# KiCad board Breakout_1999_Dodge_Dakota.kicad_pcb (continued)
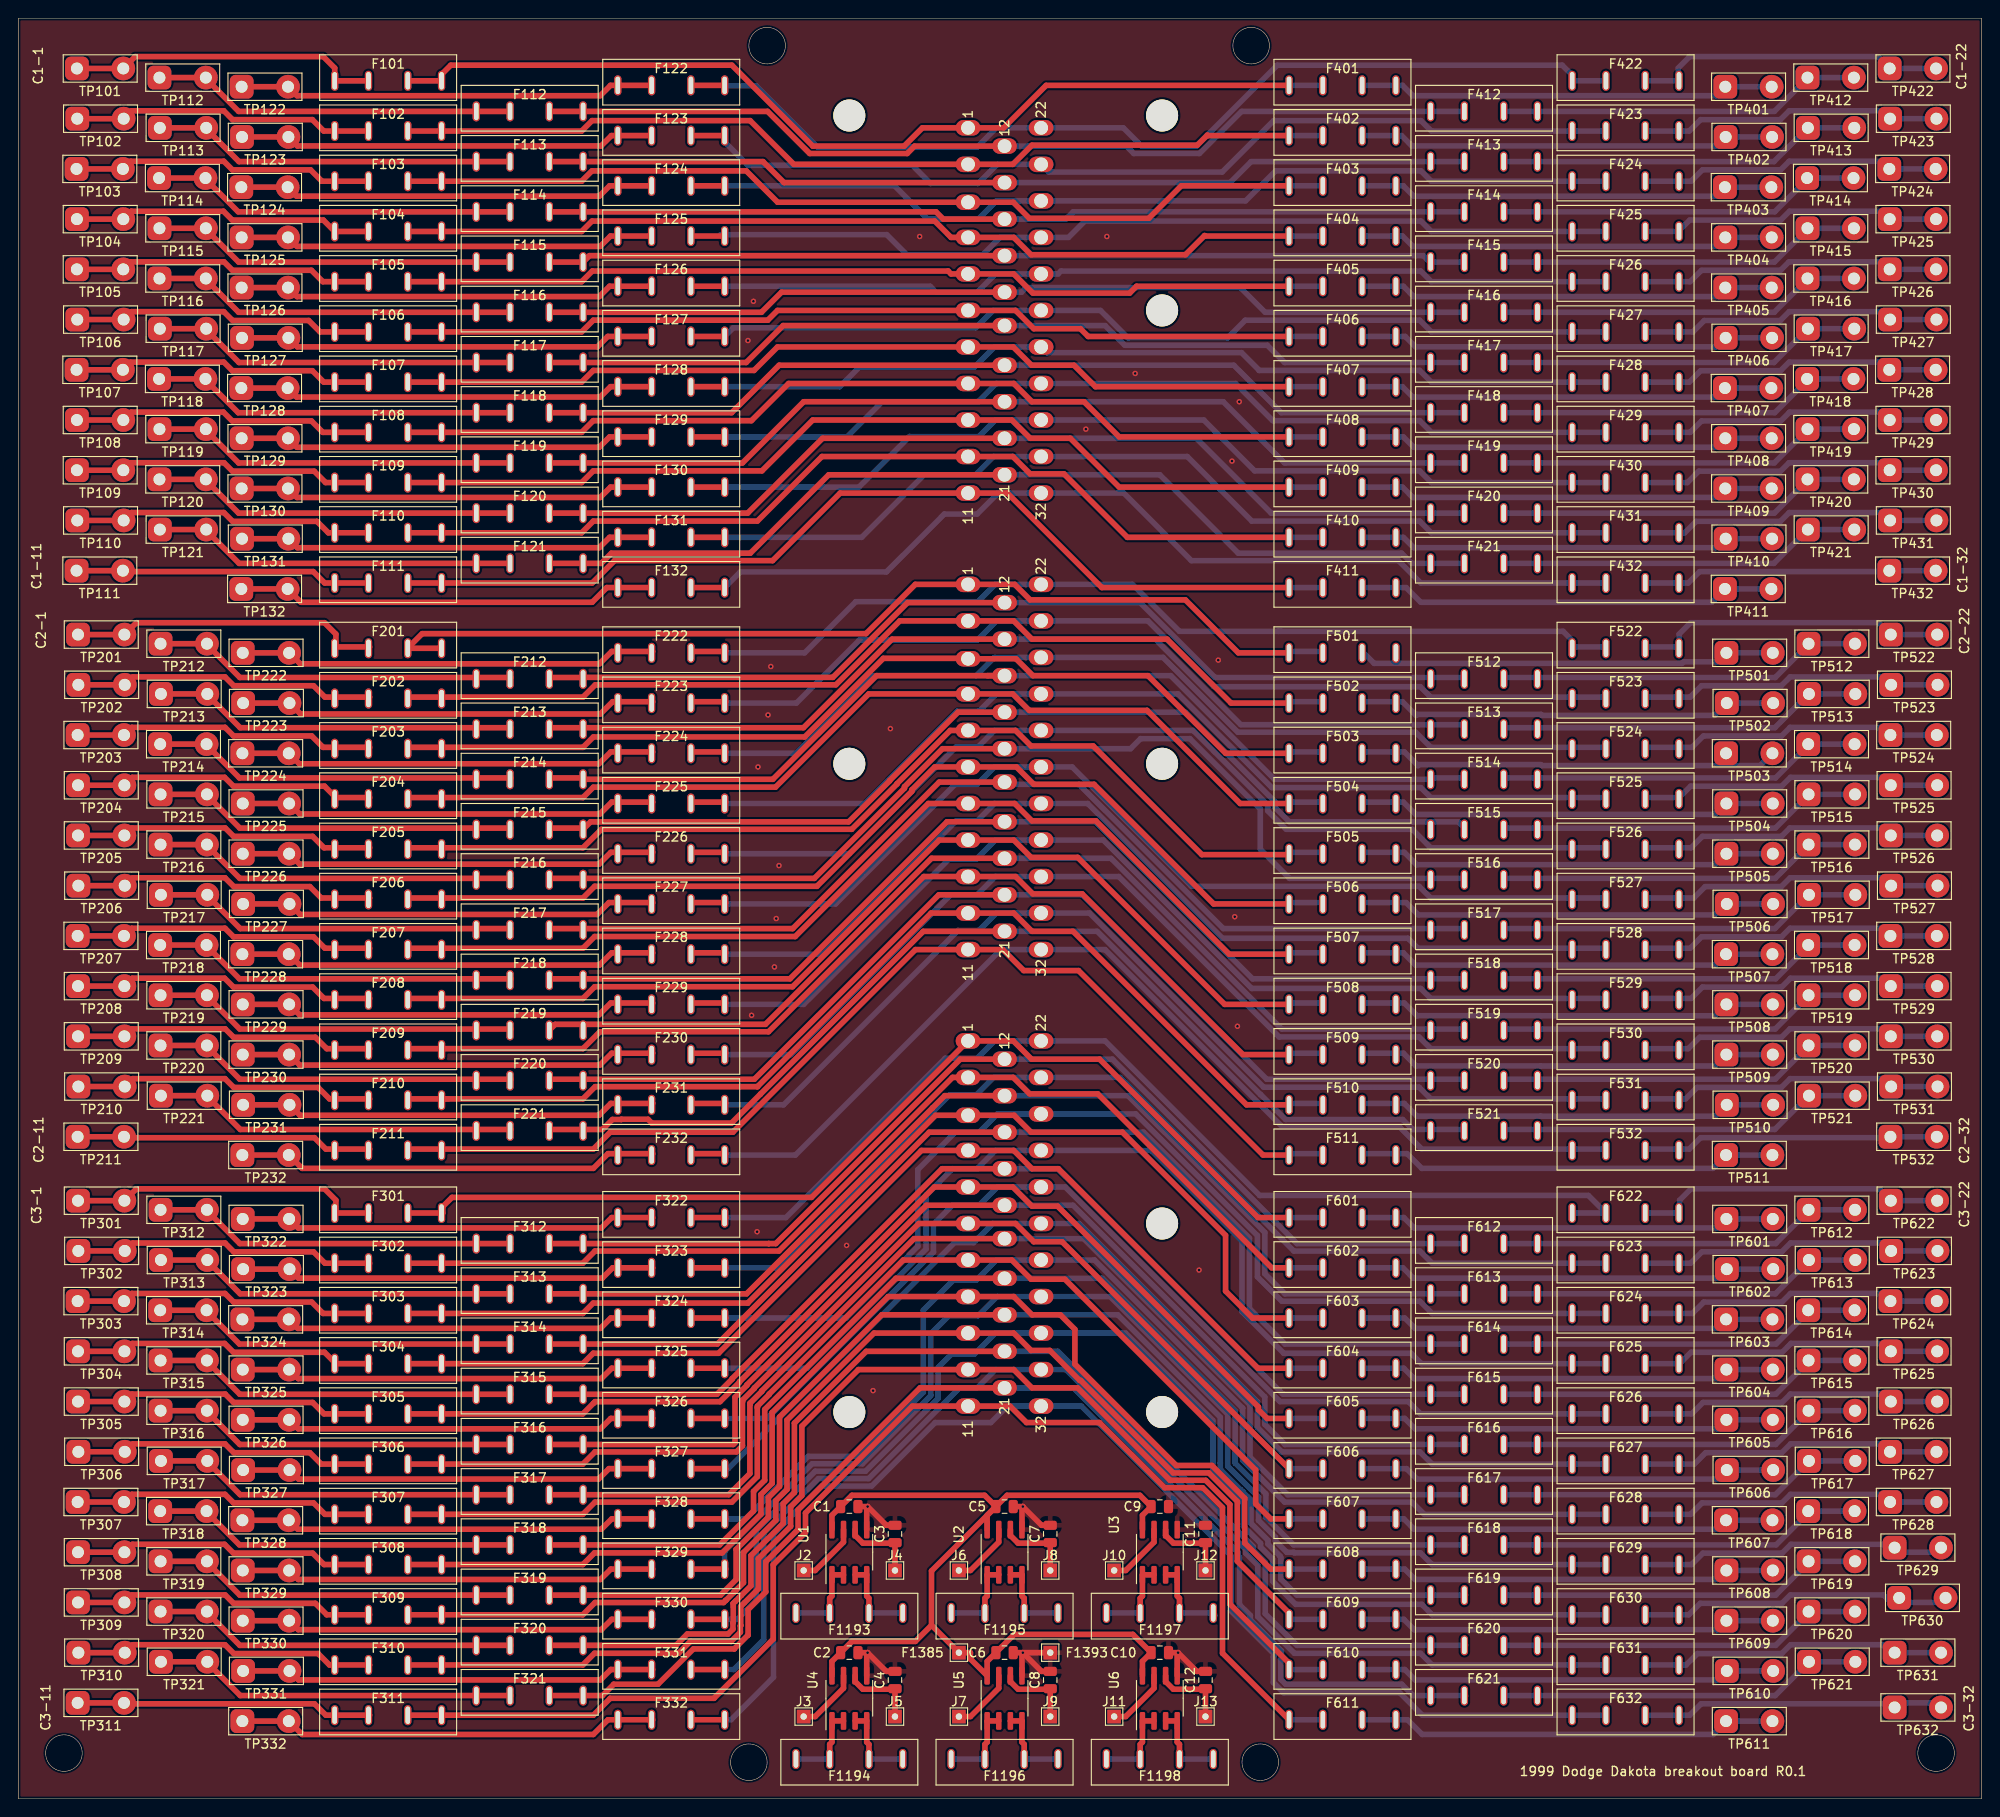
[diagram p0: board, top side]
## Routing (per net, layer and track width the routed paths; a pad name or vN(x,y) marks a point on that pad's centre or on a via; arc(x,y) is an arc through that point) (continued)
Net-(F108-Pad1): length 33.2
  Top w0.61: TP108.1 TP108.2 12.36,151.87 22.46,151.87 23.43,150.9 32.1,150.9 33.35,149.65 F108.1 F108.1
Net-(F108-Pad2): length 104.8
  Top w0.61: F108.2 F108.2 61.69,149.65 62.97,150.93 80.28,150.93 84.35,155 J1.c1-8 109,155 111,153 116.7,153 120.55,149.15 F408.1
  Bottom w0.61: 142.77,149.15 F408.1 139.07,149.15
Net-(F109-Pad1): length 33.2
  Top w0.61: F109.1 F109.1 33.65,144.15 32.4,145.4 23.45,145.4 22.53,146.32 12.32,146.32 TP109.2 TP109.1
Net-(F109-Pad2): length 106.1
  Top w0.61: F109.2 F109.2 61.69,144.15 62.97,145.43 81.43,145.43 87,151 J1.c1-9 108.8,151 110.8,149 115.2,149 120.55,143.65 F409.1
  Bottom w0.61: 142.77,143.65 F409.1 139.07,143.65
Net-(F110-Pad1): length 33.2
  Top w0.61: F110.1 F110.1 33.95,138.65 32.7,139.9 23.47,139.9 22.5,140.87 12.41,140.87 TP110.2 TP110.1
Net-(F110-Pad2): length 107.3
  Top w0.61: F410.1 121.45,138.15 114.5,145.1 110.8,145.1 108.9,147 J1.c1-10 88,147 80.93,139.93 62.97,139.93 61.69,138.65 F110.2 F110.2
  Bottom w0.61: 142.77,138.15 F410.1 139.07,138.15
Net-(F111-Pad1): length 32.5
  Top w0.61: F111.1 F111.1 33.55,133.15 32.3,134.4 11.56,134.4 TP111.2 TP111.1
Net-(F111-Pad2): length 108.6
  Top w0.61: F411.1 118.65,132.65 108.3,143 J1.c1-11 90,143 82.6,135.6 65.29,135.6 62.84,133.15 F111.2 F111.2
  Bottom w0.61: 139.07,132.65 F411.1 142.77,132.65
Net-(F112-Pad1): length 40
  Top w0.61: F112.1 F112.1 24.13,184.8 20.54,188.39 TP112.2 TP112.1
Net-(F112-Pad2): length 104.6
  Top w0.61: J1.c1-12 98.15,181 97.34,180.19 86.66,180.19 82.05,184.8 F112.2 F112.2
  Bottom w0.61: J1.c1-12 121.33,181 122.14,180.19 129.34,180.19 133.95,184.8 F412.1 158.27,184.8
Net-(F113-Pad1): length 39.9
  Top w0.61: TP113.1 TP113.2 20.58,182.89 24.17,179.3 F113.1 F113.1
Net-(F113-Pad2): length 102
  Top w0.61: J1.c1-13 83.85,177 81.55,179.3 F113.2 F113.2
  Bottom w0.61: 158.27,179.3 F413.1 134.99,179.3 132.69,177 J1.c1-13
Net-(F114-Pad1): length 40
  Top w0.61: TP114.1 TP114.2 20.5,177.39 24.09,173.8 F114.1 F114.1
Net-(F114-Pad2): length 100.8
  Top w0.61: J1.c1-14 101.29,173 100.49,173.8 F114.2 F114.2
  Bottom w0.61: 158.27,173.8 F414.1 115.51,173.8 114.71,173 J1.c1-14
Net-(F115-Pad1): length 40
  Top w0.61: F115.1 F115.1 24.13,168.3 20.54,171.89 TP115.2 TP115.1
Net-(F115-Pad2): length 100.7
  Top w0.61: F115.2 F115.2 62.55,169 J1.c1-15
  Bottom w0.61: 158.27,168.3 F415.1 154.57,168.3 153.87,169 J1.c1-15
Net-(F116-Pad1): length 40
  Top w0.61: TP116.1 TP116.2 20.54,166.39 24.13,162.8 F116.1 F116.1
Net-(F116-Pad2): length 102.4
  Top w0.61: J1.c1-16 83.58,165 81.38,162.8 F116.2 F116.2
  Bottom w0.61: J1.c1-16 109.86,165 110.36,165.5 133.83,165.5 136.53,162.8 F416.1 F416.1
Net-(F117-Pad1): length 39.9
  Top w0.61: TP117.1 TP117.2 20.58,160.89 24.17,157.3 F117.1 F117.1
Net-(F117-Pad2): length 103.5
  Top w0.61: J1.c1-17 83.75,161.34 79.71,157.3 F117.2 F117.2
  Bottom w0.61: F417.1 F417.1 138.65,157.3 136.76,159.19 121.16,159.19 119.01,161.34 J1.c1-17
Net-(F118-Pad1): length 40
  Top w0.61: TP118.1 TP118.2 20.5,155.39 24.09,151.8 F118.1 F118.1
Net-(F118-Pad2): length 104.5
  Top w0.61: J1.c1-18 83.31,157 78.12,151.8 F118.2 F118.2
  Bottom w0.61: J1.c1-18 133.1,157 138.31,151.8 F418.1 F418.1
Net-(F119-Pad1): length 40
  Top w0.61: TP119.1 TP119.2 20.54,149.89 24.13,146.3 F119.1 F119.1
Net-(F119-Pad2): length 105.8
  Top w0.61: J1.c1-19 86,153 79.3,146.3 F119.2 F119.2
  Bottom w0.61: J1.c1-19 131.96,153 138.66,146.3 F419.1 F419.1
Net-(F120-Pad1): length 40
  Top w0.61: F120.1 F120.1 24.13,140.8 20.54,144.39 TP120.2 TP120.1
Net-(F120-Pad2): length 107
  Top w0.61: F120.2 F120.2 79.87,140.8 88.07,149 J1.c1-20
  Bottom w0.61: F420.1 F420.1 137.2,140.8 129,149 J1.c1-20
Net-(F121-Pad1): length 39.9
  Top w0.61: F121.1 F121.1 24.18,135.3 20.58,138.9 TP121.2 TP121.1
Net-(F121-Pad2): length 108.2
  Top w0.61: F121.2 F121.2 63.84,135.3 64.95,136.41 80.16,136.41 88.74,145 J1.c1-21
  Bottom w0.61: F421.1 F421.1 152.58,135.3 151.47,136.41 133.59,136.41 125,145 J1.c1-21
Net-(F122-Pad1): length 45.8
  Top w0.61: F122.1 F122.1 64.85,187.65 63.72,186.52 30.52,186.52 TP122.2 TP122.1
Net-(F122-Pad2): length 109.4
  Top w0.61: F122.2 F122.2
  Bottom w0.61: F122.2 77.4,187.6 80.8,187.6 87.5,180.9 105,180.9 107.1,183 J1.c1-22 121,183 123,181 129,181 137.86,189.86 169.06,189.86 170.07,188.85 170.07,188.15 F422.1 173.77,188.15
Net-(F123-Pad1): length 45.7
  Top w0.61: F123.1 F123.1 64.95,182.15 63.82,181.02 30.56,181.02 TP123.2 TP123.1
Net-(F123-Pad2): length 106.7
  Top w0.61: F123.2 F123.2
  Bottom w0.61: F123.2 77.35,181.45 79.9,178.9 97.9,178.9 99.9,176.9 105.1,176.9 107.2,179 J1.c1-23 112.84,178.16 131.84,178.16 137.47,183.79 153.59,183.79 154.73,182.65 F423.1 173.77,182.65
Net-(F124-Pad1): length 45.8
  Top w0.61: F124.1 F124.1 64.75,176.65 63.62,175.52 30.48,175.52 TP124.2 TP124.1
Net-(F124-Pad2): length 104.3
  Top w0.61: F124.2 F124.2
  Bottom w0.61: F124.2 95.95,176.65 99.6,173 105.1,173 107.1,175 J1.c1-24 134.39,175 137.68,178.29 153.6,178.29 154.73,177.15 F424.1 173.77,177.15
Net-(F125-Pad1): length 45.8
  Top w0.61: TP125.1 TP125.2 30.52,170.02 63.72,170.02 64.85,171.15 F125.1 F125.1
Net-(F125-Pad2): length 104.1
  Top w0.61: F125.2 F125.2
  Bottom w0.61: F125.2 77.05,171.15 76.9,171.3 95.1,171.3 97.3,169.1 105.6,169.1 107.5,171 J1.c1-25 115,171 116.79,172.79 153.59,172.79 154.73,171.65 F425.1 F425.1
Net-(F126-Pad1): length 45.8
  Top w0.61: F126.1 F126.1 64.75,165.65 63.62,164.52 30.52,164.52 TP126.2 TP126.1
Net-(F126-Pad2): length 101.9
  Top w0.61: F126.2 F126.2
  Bottom w0.61: F426.1 F426.1 154.73,166.15 153.57,167.32 114.18,167.32 113.86,167 J1.c1-26 107,167 105,165 100.5,165 99.85,165.65 F126.2
Net-(F127-Pad1): length 45.7
  Top w0.61: TP127.1 TP127.2 30.56,159.02 63.42,159.02 64.55,160.15 F127.1 F127.1
Net-(F127-Pad2): length 103.9
  Top w0.61: F127.2 F127.2
  Bottom w0.61: F127.2 78.3,161.1 104.85,161.1 106.75,163 J1.c1-27 118.5,163 121.5,160 132.42,160 134.35,161.93 153.45,161.93 154.73,160.65 F427.1 173.77,160.65
Net-(F128-Pad1): length 45.8
  Top w0.61: F128.1 F128.1 64.85,154.65 63.72,153.52 30.48,153.52 TP128.2 TP128.1
Net-(F128-Pad2): length 103.6
  Top w0.61: F128.2 F128.2
  Bottom w0.61: 135.86,156.43 135.9,156.43 ; 135.9,156.43 133.95,158.37 112.62,158.37 J1.c1-28 106.9,159 104.7,156.8 92.1,156.8 89.95,154.65 F128.2 ; 135.9,156.43 153.45,156.43 154.73,155.15 F428.1 173.77,155.15
Net-(F129-Pad1): length 45.8
  Top w0.61: F129.1 F129.1 64.75,149.15 63.62,148.02 30.52,148.02 TP129.2 TP129.1
Net-(F129-Pad2): length 104.8
  Top w0.61: F129.2 F129.2
  Bottom w0.61: 173.77,149.65 F429.1 154.73,149.65 153.45,150.93 137.37,150.93 133.3,155 J1.c1-29 107.1,155 105.1,153 94.6,153 90.75,149.15 F129.2
Net-(F130-Pad1): length 45.8
  Top w0.61: TP130.1 TP130.2 30.52,142.52 63.72,142.52 64.85,143.65 F130.1 F130.1
Net-(F130-Pad2): length 106
  Top w0.61: F130.2 F130.2
  Bottom w0.61: 173.77,144.15 F430.1 154.73,144.15 153.45,145.43 135.39,145.43 129.81,151 J1.c1-30 107,151 105.2,149.2 97.6,149.2 92.05,143.65 F130.2
Net-(F131-Pad1): length 45.7
  Top w0.61: F131.1 F131.1 64.75,138.15 63.62,137.02 30.56,137.02 TP131.2 TP131.1
Net-(F131-Pad2): length 107.2
  Top w0.61: F131.2 F131.2
  Bottom w0.61: 173.77,138.65 F431.1 154.73,138.65 153.45,139.93 135.07,139.93 128,147 J1.c1-31 106.8,147 104.8,145 99.2,145 92.35,138.15 F131.2
Net-(F132-Pad1): length 46.2
  Top w0.61: TP132.1 TP132.2 30.96,131.04 62.84,131.04 64.45,132.65 F132.1 F132.1
Net-(F132-Pad2): length 108.5
  Top w0.61: F132.2 F132.2
  Bottom w0.61: F132.2 79.06,134.36 95.06,134.36 101.4,140.7 105,140.7 107.3,143 J1.c1-32 121.05,143 128.45,135.6 151.13,135.6 153.58,133.15 F432.1 173.77,133.15
Net-(F201-Pad1): length 34.4
  Top w0.61: 38.48,126.15 34.78,126.15 34.78,127.55 33.53,128.8 12.93,128.8 11.63,127.5 TP201.2 6.55,127.5
Net-(F201-Pad2): length 109.7
  Top w0.61: 42.78,126.15 44.23,127.6 92.83,127.6 98.23,133 J1.c2-1 109.1,133 110.8,131.3 127.8,131.3 133.6,125.5 F501.1 ; F201.2 F201.2
  Bottom w0.61: 142.87,125.65 139.17,125.65
Net-(F202-Pad1): length 33.2
  Top w0.61: 38.48,120.65 33.58,120.65 32.33,121.9 23.6,121.9 22.63,122.86 12.53,122.86 11.67,122 TP202.2 6.59,122
Net-(F202-Pad2): length 107.3
  Top w0.61: 42.78,120.65 61.83,120.65 63.18,122 89.53,122 96.53,129 J1.c2-2 109,129 111,127 125.8,127 132.8,120 F502.1
  Bottom w0.61: 142.87,120.15 139.17,120.15
Net-(F203-Pad1): length 33.2
  Top w0.61: 6.51,116.5 TP203.2 11.59,116.5 12.43,117.34 22.64,117.34 23.58,116.4 32.13,116.4 33.38,115.15 38.48,115.15
Net-(F203-Pad2): length 108.4
  Top w0.61: 103.95,124.9 94.72,124.9 86.11,116.29 62.97,116.29 61.83,115.15 42.78,115.15 ; J1.c2-3 109.25,124.85 111.1,123 123.7,123 132.2,114.5 F503.1
  Bottom w0.61: J1.c2-3 103.95,124.9 ; 142.87,114.65 139.17,114.65
Net-(F204-Pad1): length 33.2
  Top w0.61: 38.48,109.65 34.78,109.65 33.53,110.9 23.56,110.9 22.59,111.86 12.5,111.86 11.63,111 TP204.2 6.55,111
Net-(F204-Pad2): length 110.1
  Top w0.61: 46.35,109.65 42.78,109.65 42.78,109.63 F204.2 ; 46.35,109.65 61.83,109.65 62.97,110.79 82.91,110.79 93.12,121 J1.c2-4 108.9,121 110.7,119.2 123.6,119.2 133.8,109 F504.1 ; 46.35,109.65 F204.2
  Bottom w0.61: 142.87,109.15 139.17,109.15
Net-(F205-Pad1): length 33.2
  Top w0.61: 6.55,105.5 TP205.2 11.63,105.5 12.45,106.32 22.66,106.32 23.58,105.4 32.23,105.4 33.48,104.15 38.48,104.15
Net-(F205-Pad2): length 111.2
  Top w0.61: 42.78,104.15 61.83,104.15 63.86,106.18 91.26,106.18 96.22,111.14 96.22,111.17 102.05,117 J1.c2-5 109.2,117 110.9,115.3 117.7,115.3 129.6,103.4 139.05,103.4 F505.1
  Bottom w0.61: 142.95,103.65 139.17,103.65
Net-(F206-Pad1): length 33.2
  Top w0.61: 38.48,98.65 33.18,98.65 31.93,99.9 23.6,99.9 22.63,100.87 12.53,100.87 11.67,100 TP206.2 6.59,100
Net-(F206-Pad2): length 112.3
  Top w0.61: F506.1 130.9,98 117.8,111.1 111.2,111.1 109.3,113 J1.c2-6 100.35,113 97.85,110.5 97.85,110.33 87.45,99.93 63.11,99.93 61.83,98.65 42.78,98.65
  Bottom w0.61: 142.87,98.15 139.17,98.15
Net-(F207-Pad1): length 33.2
  Top w0.61: 6.51,94.5 TP207.2 11.59,94.5 12.43,95.34 22.64,95.34 23.58,94.4 32.33,94.4 33.58,93.15 38.48,93.15
Net-(F207-Pad2): length 113.5
  Top w0.61: 42.78,93.15 61.83,93.15 63.11,94.43 85.08,94.43 99.65,109 J1.c2-7 109.1,109 111,107.1 118,107.1 132.6,92.5 F507.1
  Bottom w0.61: 142.87,92.65 139.17,92.65
Net-(F208-Pad1): length 33.2
  Top w0.61: 38.48,87.65 33.48,87.65 32.23,88.9 23.56,88.9 22.59,89.87 12.5,89.87 11.63,89 TP208.2 6.55,89
Net-(F208-Pad2): length 114.7
  Top w0.61: 42.78,87.65 61.83,87.65 63.11,88.93 84.78,88.93 100.85,105 J1.c2-8 109,105 110.9,103.1 116,103.1 132.1,87 F508.1
  Bottom w0.61: 142.87,87.15 139.17,87.15
Net-(F209-Pad1): length 33.2
  Top w0.61: 38.48,82.15 33.78,82.15 32.53,83.4 23.58,83.4 22.66,84.32 12.45,84.32 11.63,83.5 TP209.2 6.55,83.5
Net-(F209-Pad2): length 116
  Top w0.61: F509.1 134.1,81.5 116.5,99.1 111.1,99.1 109.2,101 J1.c2-9 99.15,101 82.15,84 63.68,84 61.83,82.15 42.78,82.15
  Bottom w0.61: 142.87,81.65 139.17,81.65
Net-(F210-Pad1): length 33.2
  Top w0.61: 6.59,78 TP210.2 11.67,78 12.53,78.87 22.63,78.87 23.6,77.9 32.83,77.9 34.08,76.65 38.48,76.65
Net-(F210-Pad2): length 118
  Top w0.61: 46.5,76.65 F210.2 ; 46.5,76.65 47.1,76.65 ; 46.5,76.65 42.78,76.65 ; 46.5,76.65 61.83,76.65 63.17,77.99 80.91,77.99 80.94,77.99 99.95,97 J1.c2-10 109,97 111,95 115.5,95 134.5,76 F510.1
  Bottom w0.61: 142.87,76.15 139.17,76.15
Net-(F211-Pad1): length 32.5
  Top w0.61: 38.48,71.15 33.68,71.15 32.43,72.4 11.69,72.4 11.59,72.5 TP211.2 6.51,72.5
Net-(F211-Pad2): length 118.4
  Top w0.61: 42.78,71.15 62.97,71.15 64.82,73 78.25,73 98.25,93 J1.c2-11 107.8,93 110.1,90.7 116.1,90.7 136.3,70.5 F511.1
  Bottom w0.61: 142.87,70.65 139.17,70.65
Net-(F212-Pad1): length 40
  Top w0.61: 15.59,126.5 TP212.2 20.67,126.5 20.67,126.39 24.26,122.8 53.98,122.8
Net-(F212-Pad2): length 107.2
  Top w0.61: 58.3,122.8 61.85,122.8 ; 58.3,122.8 F212.2 ; 58.3,122.8 58.28,122.8 ; 61.85,122.8 F212.2 ; 61.85,122.8 61.86,122.81 89.19,122.81 97.38,131 J1.c2-12
  Bottom w0.61: J1.c2-12 122.85,131 131.05,122.8 158.37,122.8
Net-(F213-Pad1): length 39.9
  Top w0.61: 53.98,117.3 24.3,117.3 20.71,120.89 20.71,121 TP213.2 15.63,121
Net-(F213-Pad2): length 108.5
  Top w0.61: 58.28,117.3 58.3,117.3 ; 58.3,117.3 F213.2 ; 58.3,117.3 61.85,117.3 ; 61.85,117.3 F213.2 ; 61.85,117.3 85.97,117.3 95.68,127 J1.c2-13
  Bottom w0.61: 158.37,117.3 158.04,117.62 153.34,117.62 153.34,117.63 133.87,117.63 124.5,127 J1.c2-13
Net-(F214-Pad1): length 40
  Top w0.61: 15.55,115.5 TP214.2 20.63,115.5 20.63,115.39 24.22,111.8 53.98,111.8
Net-(F214-Pad2): length 111.8
  Top w0.61: 61.7,111.8 61.98,111.8 ; 61.7,111.8 F214.2 82.62,111.65 93.97,123 106.14,123 ; 61.7,111.8 58.3,111.8 ; 106.14,123 107.94,123 106.14,123 ; 58.3,111.8 F214.2 ; 58.3,111.8 58.28,111.8
  Bottom w0.61: F514.1 137.55,111.65 126.2,123 J1.c2-14 107.94,123 107.94,123 ; 158.37,111.8 154.67,111.8
Net-(F215-Pad1): length 40
  Top w0.61: 53.98,106.3 24.26,106.3 20.67,109.89 20.67,110 TP215.2 15.59,110
Net-(F215-Pad2): length 111
  Top w0.61: 58.28,106.3 61.98,106.3 62.67,106.99 ; 62.68,107 62.67,106.99 ; 62.67,106.99 90.93,106.99 95.41,111.47 95.41,111.51 102.9,119 J1.c2-15
  Bottom w0.61: 158.37,106.3 157.68,106.99 152.68,106.99 152.67,107 139.17,107 137.62,108.54 137.62,109.17 127.8,119 J1.c2-15
Net-(F216-Pad1): length 40
  Top w0.61: 15.59,104.5 TP216.2 20.67,104.5 20.67,104.39 24.26,100.8 53.98,100.8
Net-(F216-Pad2): length 115.5
  Top w0.61: J1.c2-16 101.2,115 97.04,110.84 97.04,110.67 87.17,100.8 58.28,100.8
  Bottom w0.61: J1.c2-16 121.8,115 122.9,116.1 128.3,116.1 136,108.4 136,104 139.2,100.8 158.45,100.8
Net-(F217-Pad1): length 39.9
  Top w0.61: 53.98,95.3 24.3,95.3 20.71,98.89 20.71,99 TP217.2 15.63,99
Net-(F217-Pad2): length 113.5
  Top w0.61: 58.28,95.3 84.8,95.3 100.84,111.34 J1.c2-17
  Bottom w0.61: J1.c2-17 108.24,111.1 116.15,111.1 131.95,95.3 158.45,95.3
Net-(F218-Pad1): length 40
  Top w0.61: 53.98,89.8 24.22,89.8 20.63,93.39 20.63,93.5 TP218.2 15.55,93.5
Net-(F218-Pad2): length 114.4
  Top w0.61: J1.c2-18 101.7,107 84.5,89.8 58.28,89.8
  Bottom w0.61: J1.c2-18 117.95,107 135.15,89.8 158.45,89.8
Net-(F219-Pad1): length 40
  Top w0.61: 15.59,88 TP219.2 20.67,88 20.67,87.89 24.26,84.3 53.98,84.3
Net-(F219-Pad2): length 115.7
  Top w0.61: J1.c2-19 100,103 81.81,84.81 58.79,84.81 58.28,84.3
  Bottom w0.61: 158.45,84.3 138.35,84.3 119.65,103 J1.c2-19
Net-(F220-Pad1): length 40
  Top w0.61: 15.59,82.5 TP220.2 20.67,82.5 20.67,82.39 24.26,78.8 53.98,78.8
Net-(F220-Pad2): length 117.3
  Top w0.61: F220.2 58.28,78.78 58.28,78.8 61.85,78.8 ; 61.85,78.8 80.6,78.8 100.8,99 J1.c2-20 ; 61.85,78.8 F220.2
  Bottom w0.61: 158.45,78.8 136.7,78.8 116.5,99 J1.c2-20
Net-(F221-Pad1): length 39.9
  Top w0.61: 15.63,77 TP221.2 20.71,77 20.71,76.9 24.31,73.3 53.98,73.3
Net-(F221-Pad2): length 118.7
  Top w0.61: 61.7,73.3 63.97,73.3 65.06,74.39 66.03,74.39 66.05,74.41 68.95,74.41 69.37,74 78.1,74 81.27,77.17 81.28,77.17 99.1,95 J1.c2-21 ; 61.7,73.3 F221.2 ; 61.7,73.3 58.28,73.3
  Bottom w0.61: J1.c2-21 118.15,95 136.03,77.12 136.05,77.12 138.77,74.39 151.59,74.39 152.68,73.3 158.45,73.3
Net-(F222-Pad1): length 45.9
  Top w0.61: 69.48,125.65 64.98,125.65 63.63,124.3 30.87,124.3 29.67,125.5 TP222.2 24.59,125.5
Net-(F222-Pad2): length 107.1
  Top w0.61: 73.78,125.65 77.2,125.65 ; 77.2,125.65 77.48,125.65 ; 77.2,125.65 F222.2
  Bottom w0.61: 138.02,127.86 138.26,127.86 ; 138.02,127.86 137.96,127.86 ; 138.02,127.86 138.26,127.86 ; 138.02,127.86 137.96,127.86 ; 138.26,127.86 169.16,127.86 170.17,126.85 170.17,126.15 173.87,126.15 ; 137.96,127.86 127.14,127.86 122,133 J1.c2-22 107,133 105.1,131.1 91.7,131.1 86.1,125.5 F222.2
Net-(F223-Pad1): length 45.9
  Top w0.61: 69.48,120.15 65.08,120.15 63.73,118.8 30.91,118.8 29.71,120 TP223.2 24.63,120
Net-(F223-Pad2): length 107.4
  Top w0.61: 73.78,120.15 77.48,120.15
  Bottom w0.61: F223.2 85.2,120 92.1,126.9 105,126.9 107.1,129 J1.c2-23 123.7,129 130.91,121.79 153.53,121.79 154.67,120.65 173.87,120.65
Net-(F224-Pad1): length 45.9
  Top w0.61: 69.48,114.65 64.88,114.65 63.58,113.35 30.78,113.35 29.63,114.5 TP224.2 24.55,114.5
Net-(F224-Pad2): length 108.6
  Top w0.61: 73.78,114.65 77.48,114.65
  Bottom w0.61: F224.2 85.2,114.5 93.7,123 104.9,123 106.9,125 J1.c2-24 125.35,125 133.54,116.81 153,116.81 154.67,115.15 173.87,115.15
Net-(F225-Pad1): length 45.9
  Top w0.61: 24.59,109 TP225.2 29.67,109 30.82,107.85 63.68,107.85 64.98,109.15 69.48,109.15
Net-(F225-Pad2): length 110
  Top w0.61: 73.78,109.15 77.48,109.15
  Bottom w0.61: 173.95,109.65 154.67,109.65 153.57,110.74 137.26,110.74 127,121 J1.c2-25 107.1,121 105.2,119.1 102.8,119.1 92.7,109 F225.2
Net-(F226-Pad1): length 45.9
  Top w0.61: 24.59,103.5 TP226.2 29.67,103.5 30.82,102.35 63.58,102.35 64.88,103.65 69.48,103.65
Net-(F226-Pad2): length 111.6
  Top w0.61: 73.78,103.65 77.48,103.65
  Bottom w0.61: 173.95,104.15 154.67,104.15 152.64,106.17 138.84,106.17 136.81,108.2 136.81,108.54 136.81,108.84 130.98,114.67 128.65,117 J1.c2-26 106.9,117 105.1,115.2 102.7,115.2 91,103.5 F226.2
Net-(F227-Pad1): length 45.9
  Top w0.61: 69.48,98.15 64.68,98.15 63.38,96.85 30.86,96.85 29.71,98 TP227.2 24.63,98
Net-(F227-Pad2): length 112.4
  Top w0.61: 73.78,98.15 77.48,98.15
  Bottom w0.61: 173.87,98.65 154.67,98.65 153.39,99.93 128.47,99.93 115.4,113 J1.c2-27 106.9,113 105,111.1 102.6,111.1 89.5,98 F227.2
Net-(F228-Pad1): length 46
  Top w0.61: 24.55,92.5 TP228.2 29.63,92.5 30.83,91.3 63.63,91.3 64.98,92.65 69.48,92.65
Net-(F228-Pad2): length 113.6
  Top w0.61: 73.78,92.65 77.48,92.65
  Bottom w0.61: F228.2 88.1,92.5 102.7,107.1 105,107.1 106.9,109 J1.c2-28 117.1,109 131.86,94.24 152.17,94.24 153.26,93.15 173.87,93.15
Net-(F229-Pad1): length 45.9
  Top w0.61: 24.59,87 TP229.2 29.67,87 30.82,85.85 63.58,85.85 64.88,87.15 69.48,87.15
Net-(F229-Pad2): length 114.9
  Top w0.61: 73.78,87.15 77.48,87.15
  Bottom w0.61: F229.2 86,87 101.9,102.9 104.9,102.9 107,105 J1.c2-29 118.8,105 135.06,88.74 153.57,88.74 154.67,87.65 173.87,87.65
Net-(F230-Pad1): length 45.9
  Top w0.61: 69.48,81.65 64.98,81.65 63.68,80.35 30.82,80.35 29.67,81.5 TP230.2 24.59,81.5
Net-(F230-Pad2): length 116.1
  Top w0.61: 73.78,81.65 77.48,81.65
  Bottom w0.61: F230.2 84.6,81.5 102.1,99 105,99 107,101 J1.c2-30 120.5,101 138.07,83.43 153.39,83.43 154.67,82.15 173.87,82.15
Net-(F231-Pad1): length 45.9
  Top w0.61: 24.63,76 TP231.2 29.71,76 30.86,74.85 63.58,74.85 64.88,76.15 69.48,76.15
Net-(F231-Pad2): length 117.3
  Top w0.61: 73.78,76.15 77.48,76.15
  Bottom w0.61: 173.87,76.65 154.67,76.65 153.39,77.93 136.37,77.93 117.3,97 J1.c2-31 107.1,97 105.2,95.1 102.9,95.1 83.8,76 F231.2
Net-(F232-Pad1): length 46.2
  Top w0.61: 24.55,70.5 TP232.2 29.63,70.5 31.09,69.04 62.97,69.04 64.58,70.65 69.48,70.65
Net-(F232-Pad2): length 118.6
  Top w0.61: 73.78,70.65 77.48,70.65
  Bottom w0.61: F232.2 85.1,70.5 107.6,93 J1.c2-32 119,93 138.42,73.58 151.25,73.58 153.68,71.15 173.87,71.15
Net-(F301-Pad1): length 34.4
  Top w0.61: 38.48,64.15 F301.1 34.78,64.15 34.78,65.55 33.53,66.8 12.93,66.8 11.63,65.5 TP301.2 6.55,65.5
Net-(F301-Pad2): length 116.3
  Top w0.61: F601.1 135.75,63.65 118.4,81 110.95,81 108.95,83 J1.c3-1 86.86,65.86 47.49,65.86 46.48,64.85 46.48,64.15 F301.2 42.78,64.15
  Bottom w0.61: 142.92,63.65 F601.1 139.22,63.65
Net-(F302-Pad1): length 33.2
  Top w0.61: 6.59,60 TP302.2 11.67,60 12.53,60.87 22.63,60.87 23.6,59.9 32.33,59.9 33.58,58.65 F302.1 F302.1 38.48,58.65
Net-(F302-Pad2): length 117.1
  Top w0.61: F602.1 137.25,58.15 118.2,77.2 110.75,77.2 108.95,79 J1.c3-2 102.3,79 83.29,59.99 63.15,59.99 61.82,58.65 F302.2 42.78,58.65
  Bottom w0.61: 139.22,58.15 F602.1 142.92,58.15
Net-(F303-Pad1): length 33.2
  Top w0.61: 6.51,54.5 TP303.2 11.59,54.5 12.43,55.34 22.64,55.34 23.58,54.4 32.13,54.4 33.38,53.15 F303.1 F303.1 38.48,53.15
Net-(F303-Pad2): length 121.8
  Top w0.61: 42.78,53.15 F303.2 61.82,53.15 62.95,54.29 79.89,54.29 100.45,74.85 J1.c3-3 109.05,74.85 110.9,73 120.9,73 132.2,61.7 132.2,55.6 135.15,52.65 F603.1
  Bottom w0.61: 139.22,52.65 F603.1 142.92,52.65
Net-(F304-Pad1): length 33.2
  Top w0.61: 6.55,49 TP304.2 11.63,49 12.5,49.87 22.59,49.87 23.56,48.9 33.53,48.9 34.78,47.65 F304.1 38.48,47.65
Net-(F304-Pad2): length 119.6
  Top w0.61: 42.78,47.65 F304.2 61.82,47.65 62.96,48.79 76.69,48.79 98.9,71 J1.c3-4 109,71 111,69 113.9,69 135.75,47.15 F604.1
  Bottom w0.61: 142.92,47.15 F604.1 139.22,47.15
Net-(F305-Pad1): length 33.2
  Top w0.61: 6.55,43.5 TP305.2 11.63,43.5 12.45,44.32 22.66,44.32 23.58,43.4 32.23,43.4 33.48,42.15 F305.1 F305.1 38.48,42.15
Net-(F305-Pad2): length 121.2
  Top w0.61: 42.78,42.15 F305.2 61.82,42.15 63.15,43.49 76.84,43.49 78.97,45.62 78.97,45.67 100.31,67 J1.c3-5 108.9,67 111,64.9 113.8,64.9 135.8,42.9 135.8,42.6 136.75,41.65 F605.1 ; 62.98,43.32 62.97,43.31
  Bottom w0.61: 143,41.65 F605.1 139.22,41.65
Net-(F306-Pad1): length 33.2
  Top w0.61: 6.59,38 TP306.2 11.67,38 12.53,38.87 22.63,38.87 23.6,37.9 31.93,37.9 33.18,36.65 F306.1 F306.1 38.48,36.65
Net-(F306-Pad2): length 125.1
  Top w0.61: F606.1 114.3,61 111.2,61 109.2,63 J1.c3-6 98.61,63 80.6,44.99 80.6,44.94 79.31,43.66 79.31,43.51 79.3,43.49 79.3,38.65 78.64,37.99 63.15,37.99 61.82,36.65 F306.2 42.78,36.65
  Bottom w0.61: 139.22,36.15 F606.1 142.92,36.15
Net-(F307-Pad1): length 33.2
  Top w0.61: 38.48,31.15 F307.1 F307.1 33.58,31.15 32.33,32.4 23.58,32.4 22.64,33.34 12.43,33.34 11.59,32.5 TP307.2 6.51,32.5
Net-(F307-Pad2): length 130.1
  Top w0.61: 42.78,31.15 F307.2 61.82,31.15 63.15,32.49 78.14,32.49 80.92,35.27 80.92,42.82 80.94,42.83 80.94,42.98 82.22,44.27 82.22,44.32 96.9,59 J1.c3-7 108.8,59 110.9,56.9 114.6,56.9 135.5,36 135.5,32.3 137.15,30.65 F607.1
  Bottom w0.61: 139.22,30.65 F607.1 142.92,30.65
Net-(F308-Pad1): length 33.2
  Top w0.61: 38.48,25.65 F308.1 F308.1 33.48,25.65 32.23,26.9 23.56,26.9 22.59,27.87 12.5,27.87 11.63,27 TP308.2 6.55,27
Net-(F308-Pad2): length 135.5
  Top w0.61: 42.78,25.65 F308.2 61.82,25.65 63.1,26.93 77.08,26.93 81.32,31.18 81.32,33.32 82.55,34.55 82.55,42.3 95.25,55 J1.c3-8 109,55 111,53 114.1,53 115.7,51.4 115.7,47.6 126.8,36.5 130.7,36.5 134.3,32.9 134.3,28 137.15,25.15 F608.1
  Bottom w0.61: 139.22,25.15 F608.1 142.92,25.15
Net-(F309-Pad1): length 33.2
  Top w0.61: 38.48,20.15 F309.1 F309.1 33.78,20.15 32.53,21.4 23.58,21.4 22.66,22.32 12.45,22.32 11.63,21.5 TP309.2 6.55,21.5
Net-(F309-Pad2): length 137.7
  Top w0.61: F609.1 139.15,20.35 133.49,26.01 133.49,32.56 130.36,35.69 126.46,35.69 116.34,45.81 116.24,45.81 112.95,49.1 110.9,49.1 109,51 J1.c3-9 93.7,51 84.17,41.47 84.17,33.87 82.95,32.65 82.95,30.51 79.41,26.97 79.41,23.66 78.6,22.85 78.36,22.61 77.48,21.73 77.24,21.49 63.15,21.49 61.82,20.15 F309.2 42.78,20.15
  Bottom w0.61: 142.92,19.65 F609.1 139.22,19.65
Net-(F310-Pad1): length 33.2
  Top w0.61: 38.48,14.65 F310.1 F310.1 34.08,14.65 32.83,15.9 23.6,15.9 22.63,16.87 12.53,16.87 11.67,16 TP310.2 6.59,16
Net-(F310-Pad2): length 143.1
  Top w0.61: F610.1 139.15,14.85 132.67,21.33 132.67,32.23 130.03,34.87 126.13,34.87 116,45 111,45 109,47 J1.c3-10 92,47 85.8,40.8 85.8,33.2 84.57,31.97 84.57,29.83 81.04,26.29 81.04,22.99 79.51,21.46 79.11,21.06 79.11,20.06 79.11,20.06 79.11,18.98 79.07,18.94 79.07,18.24 78.06,17.23 73.6,17.23 72.35,15.99 72.3,15.93 63.1,15.93 61.82,14.65 F310.2 42.78,14.65
  Bottom w0.61: 139.22,14.15 F610.1 142.92,14.15
Net-(F311-Pad1): length 32.5
  Top w0.61: 38.48,9.15 F311.1 F311.1 33.68,9.15 32.43,10.4 11.69,10.4 11.59,10.5 TP311.2 6.51,10.5
Net-(F311-Pad2): length 143.7
  Top w0.61: 42.78,9.15 F311.2 62.97,9.15 64.82,11 76.18,11 82.66,17.48 82.66,25.62 86.2,29.16 86.2,31.3 97.9,43 J1.c3-11 108.6,43 110.4,41.2 118.4,41.2 125.54,34.06 129.69,34.06 131.86,31.89 131.86,15.94 F611.1
  Bottom w0.61: 139.22,8.65 F611.1 142.92,8.65
Net-(F312-Pad1): length 40
  Top w0.61: 15.59,64.5 TP312.2 20.67,64.5 20.67,64.39 24.26,60.8 F312.1 F312.1 53.98,60.8
Net-(F312-Pad2): length 116.9
  Top w0.61: 82.18,60.8 82.95,60.8 103.15,81 J1.c3-12 ; 82.18,60.8 82.18,60.8 ; 82.18,60.8 82.18,60.8 ; 82.18,60.8 F312.2 58.28,60.8